# Allegro board MB1225_REVB_160222_1K.brd (continued)
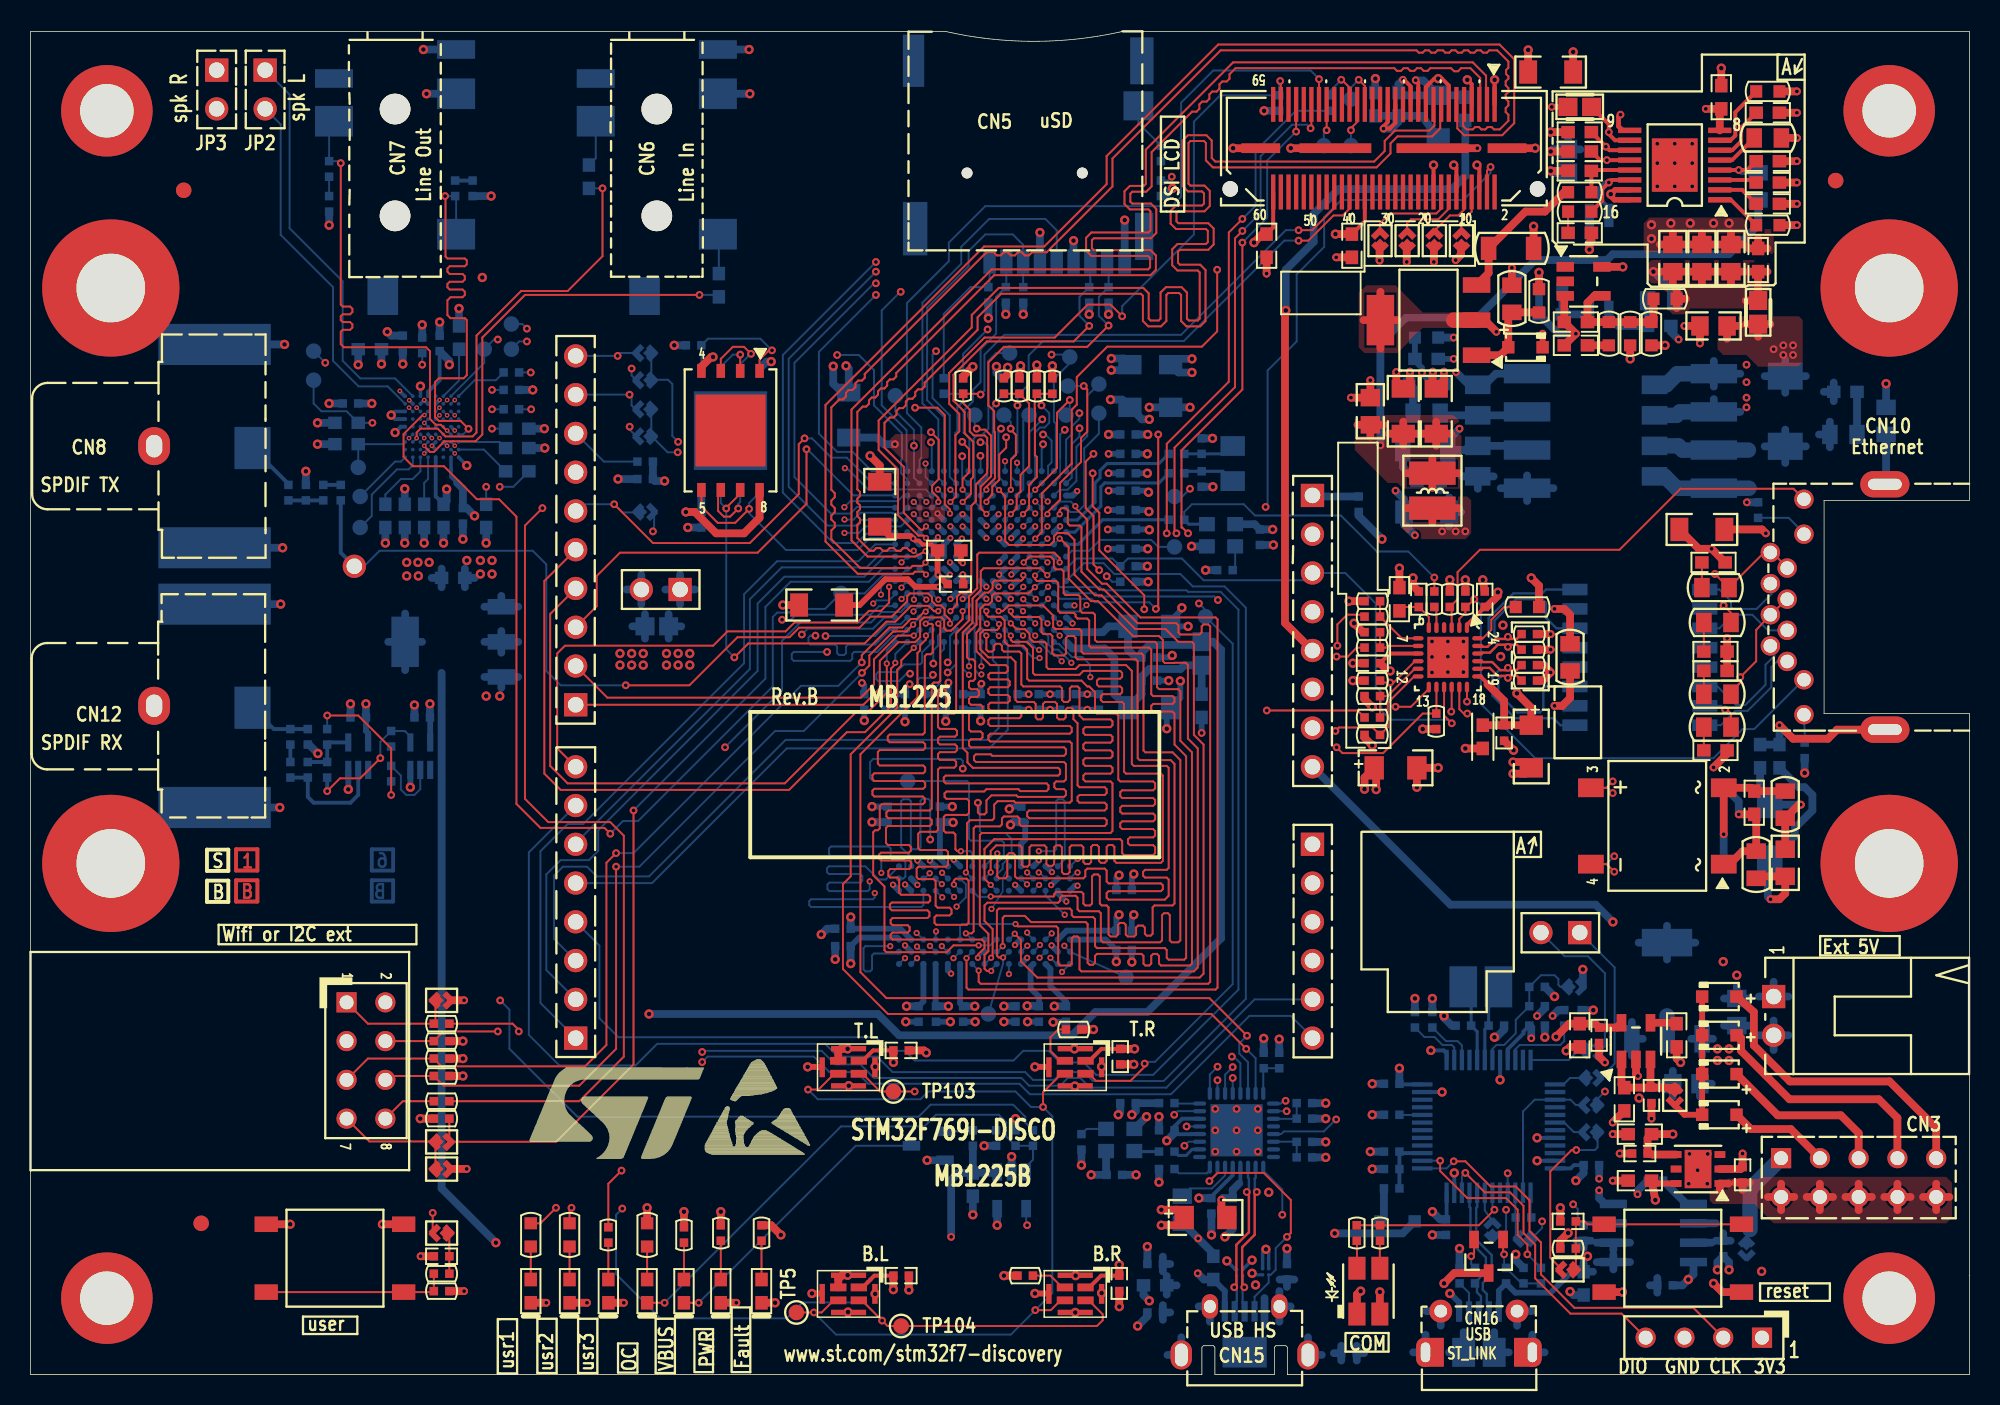
[diagram p0: board, top side]
## Copper pours and planes (outline as drawn; the poured copper is in the pictures) (continued)
NETD5_2 on TOP (solid shape): 107.7,17.9 108.03,18.23 108.3,17.97 107.76,17.43 107.7,17.5 107.62,17.42 107.08,17.96 107.36,18.24
NETR64_2 on BOTTOM (solid shape): 41.13,56.59 41.05,56.52 41.12,56.45 40.58,55.91 40.31,56.18 40.64,56.51 40.31,56.85 40.59,57.13
NRST on TOP (solid shape): 100.66,7.19 100.33,6.85 100.66,6.52 100.39,6.25 99.85,6.79 99.92,6.86 99.84,6.93 100.38,7.47
NRST on BOTTOM (solid shape): 103.1,15.92 103.05,15.88 103.1,15.83 102.56,15.29 102.29,15.56 102.35,15.62 102.1,15.88 102.35,16.13 102.29,16.19 102.56,16.46
PA0 on TOP (solid shape): 26.88,9.6 26.54,9.26 26.87,8.93 26.6,8.66 26.07,9.2 26.13,9.27 26.06,9.34 26.6,9.88
PA9 on BOTTOM (solid shape): 103.1,19.51 103.03,19.43 103.1,19.36 102.56,18.82 102.29,19.09 102.62,19.42 102.28,19.76 102.56,20.05
PA10 on BOTTOM (solid shape): 103.1,21.28 103.03,21.21 103.1,21.14 102.56,20.6 102.29,20.87 102.62,21.2 102.28,21.54 102.56,21.82
PA13 on BOTTOM (solid shape): 98.78,8.93 98.74,8.89 98.78,8.85 98.24,8.31 97.97,8.58 98.03,8.64 97.78,8.89 98.03,9.14 97.97,9.2 98.24,9.47
PA14 on BOTTOM (solid shape): 103.1,17.7 103.05,17.65 103.1,17.61 102.56,17.07 102.29,17.34 102.35,17.4 102.1,17.65 102.35,17.9 102.29,17.97 102.56,18.23
PG6 on TOP (solid shape): 27.79,15.31 27.72,15.24 27.79,15.16 27.25,14.63 26.97,14.91 27.31,15.25 26.98,15.58 27.25,15.85
POE1 on L2_GND, L5_GND: 91.16,53.98 89.15,55.99 89.15,57.76 85.85,61.07 85.85,69.87 87.48,71.5 93.32,71.5 94.89,73.07 94.89,74.57 95.25,74.93 95.74,74.93 99.19,78.38 99.19,87.49 116.2,87.49 116.2,75.29 115.72,74.8 112.88,74.8 111.23,76.45 105.43,76.45 101.47,72.5 101.47,55.1 100.35,53.98
POE3 on TOP: 91.19,69.6 94.49,69.6 94.49,68.58 91.19,68.58 89.53,66.93 87.38,66.93 87,67.31 87,70.87 87.5,71.37 89.41,71.37
POE4 on TOP: 89.79,57.53 94.11,57.53 94.36,57.28 94.36,55.12 93.98,54.74 90.55,54.74 89.79,55.5
POE4 on BOTTOM: 99.69,54.74 92.2,54.74 91.82,55.12 91.82,59.05 92.08,59.31 99.82,59.31 100.2,58.93 100.2,55.24
POE5 on BOTTOM: 112.01,57.66 111.89,57.78 111.89,61.34 113.16,62.61 118.11,62.61 118.49,62.23 118.49,59.94 117.98,59.44 114.81,59.44 113.67,58.29 113.67,57.78 113.54,57.66
POE7 on TOP (solid shape): 27.79,24.58 27.72,24.51 27.79,24.44 27.25,23.9 26.97,24.18 27.31,24.52 26.98,24.85 27.25,25.12
POE7 on TOP (solid shape): 27.79,13.53 27.72,13.46 27.79,13.39 27.25,12.85 26.97,13.13 27.31,13.47 26.98,13.8 27.25,14.07
POE7 on TOP (solid shape): 88.64,74.18 88.7,74.24 88.97,73.97 88.44,73.43 88.39,73.48 88.35,73.43 87.81,73.97 88.08,74.24 88.14,74.18 88.39,74.43
POE7 on TOP (solid shape): 90.42,74.18 90.48,74.24 90.75,73.97 90.21,73.43 90.17,73.48 90.13,73.43 89.59,73.97 89.86,74.24 89.92,74.18 90.17,74.43
POE7 on TOP (solid shape): 92.2,74.18 92.26,74.24 92.53,73.97 91.99,73.43 91.95,73.48 91.9,73.43 91.37,73.97 91.64,74.24 91.7,74.18 91.95,74.43
POE7 on TOP (solid shape): 93.98,74.18 94.04,74.24 94.31,73.97 93.77,73.43 93.73,73.48 93.68,73.43 93.14,73.97 93.41,74.24 93.47,74.18 93.73,74.43
POE7 on BOTTOM (solid shape): 101.96,25.48 101.88,25.4 101.95,25.33 101.41,24.79 101.15,25.06 101.48,25.39 101.14,25.73 101.42,26.01
POE7 on TOP: 105.66,75.44 106.05,75.82 113.28,75.82 114.17,74.93 114.17,73.53 113.92,73.28 106.05,73.28 105.66,73.66
POE7 on BOTTOM: 112.39,20.32 115.44,20.32 116.08,20.95 116.08,23.11 115.7,23.5 108.97,23.5 108.58,23.11 108.58,18.03 109.09,17.53 110.87,17.53 112.01,18.67 112.01,19.94
POE7 on BOTTOM: 86.36,4.95 99.57,4.95 99.95,4.57 99.95,0.76 99.72,0.53 86.72,0.53 86.61,0.64 86.61,2.67 86.36,2.92
POE7 on BOTTOM: 112.27,66.67 112.65,66.29 112.65,62.87 112.27,62.48 108.71,62.48 108.71,66.67
POE7 on BOTTOM: 28.07,53.64 32.13,53.64 32.28,53.5 32.28,49.73 32.12,49.58 28.37,49.58 27.96,49.98 27.96,53.53
POE7 on L2_GND: 0.53,0.51 0.53,87.49 59.89,87.49 65.72,86.85 71.56,87.49 98.68,87.49 98.68,78.59 95.53,75.44 95.05,75.44 94.39,74.78 94.39,73.28 93.11,72.01 87.27,72.01 85.34,70.08 85.34,60.96 88.52,57.78 88.52,55.9 90.95,53.47 100.56,53.47 101.98,54.89 101.98,72.28 105.64,75.95 111.02,75.95 112.67,74.3 115.93,74.3 116.71,75.08 116.71,87.49 126.49,87.49 126.49,57.81 116.94,57.81 116.94,42.77 126.49,42.77 126.49,0.51 82.83,0.51 82.83,2 82.43,2.39 81.36,2.39 80.97,2 80.97,0.51 78.08,0.51 78.08,2 77.68,2.39 76.61,2.39 76.21,2 76.21,0.51 ; 1 cut-out
POE7 on L5_GND: 0.51,0.51 0.51,87.49 59.89,87.49 65.72,86.85 71.56,87.49 98.68,87.49 98.68,78.59 95.53,75.44 95.02,75.44 94.39,74.8 94.39,73.28 93.11,72.01 87.27,72.01 85.34,70.08 85.34,60.85 88.52,57.68 88.52,55.9 90.95,53.47 100.56,53.47 101.98,54.89 101.98,72.28 105.64,75.95 111.02,75.95 112.67,74.3 115.93,74.3 116.71,75.08 116.71,87.49 126.49,87.49 126.49,57.78 116.97,57.78 116.97,42.8 126.49,42.8 126.49,0.51 82.83,0.51 82.83,2 82.43,2.39 81.36,2.39 80.97,2 80.97,0.51 78.08,0.51 78.08,2 77.68,2.39 76.61,2.39 76.21,2 76.21,0.51 ; 1 cut-out
STLINK_RX on BOTTOM (solid shape): 102.18,19.74 102.12,19.68 102.37,19.43 102.12,19.18 102.18,19.12 101.91,18.85 101.37,19.39 101.42,19.43 101.37,19.47 101.91,20.01
STLINK_TX on BOTTOM (solid shape): 102.18,21.52 102.12,21.46 102.37,21.21 102.12,20.96 102.18,20.9 101.91,20.63 101.37,21.17 101.42,21.21 101.37,21.25 101.91,21.79
STM_RST on BOTTOM (solid shape): 101.04,25.71 100.98,25.65 101.23,25.4 100.98,25.15 101.04,25.09 100.77,24.82 100.23,25.36 100.27,25.4 100.23,25.44 100.77,25.98
SWO on BOTTOM (solid shape): 96.01,9.33 96.07,9.4 96.34,9.13 95.8,8.59 95.76,8.63 95.71,8.59 95.18,9.13 95.45,9.4 95.51,9.33 95.76,9.59
T_JTCK on BOTTOM (solid shape): 102.18,17.99 101.85,17.66 102.19,17.32 101.91,17.04 101.37,17.58 101.44,17.65 101.37,17.72 101.91,18.26
T_JTMS on BOTTOM (solid shape): 97.86,9.23 97.53,8.9 97.87,8.56 97.59,8.28 97.05,8.81 97.12,8.89 97.06,8.96 97.59,9.5
T_NRST on BOTTOM (solid shape): 102.18,16.21 101.85,15.88 102.19,15.54 101.91,15.26 101.37,15.8 101.44,15.88 101.37,15.94 101.91,16.48
T_SWO on BOTTOM (solid shape): 95.76,10.24 95.83,10.31 96.37,9.77 96.1,9.5 95.76,9.83 95.43,9.5 95.14,9.78 95.68,10.32
POE7 on TOP (solid shape): 98.47,2.4 98.82,2.25 98.97,1.9 98.97,1 98.87,0.7 98.6,0.52 97.17,0.52 97.17,2.4
POE7 on TOP (solid shape): 92.57,0.51 91.16,0.51 90.88,0.69 90.77,1 90.77,1.9 90.92,2.25 91.27,2.4 92.57,2.4
POE7 on BOTTOM (solid shape): 98.47,2.4 98.82,2.25 98.97,1.9 98.97,1 98.87,0.7 98.6,0.52 97.17,0.52 97.17,2.4
POE7 on BOTTOM (solid shape): 92.57,0.51 91.16,0.51 90.88,0.69 90.77,1 90.77,1.9 90.92,2.25 91.27,2.4 92.57,2.4

Small or netless copper shapes (teardrops, artwork), in the pictures only: 16 on TOP

## Text on the board
Ref Des/Silkscreen Bottom: D9 | D8 | D7 | D6 | D5 | D4 | D3 | D2 | D1 | D0 | D15 | D14 | D12 | D11 | D10 | GND | D13 | nc | 5V | A0 | A1 | A2 | A3 | A4 | A5 | 3V3 | VIN | NRST | IOREF5 | AVDD | SPDIF TX | SPDIF RX | CN2 | Wifi or I2C ext | B | Idd | USB HS | USB ST_LINK | Ethernet | JP1 | Ext 5V | uSD | Line Out | Line In | VCP_TX | VCP_RX | stlk | usbhs | ext5V | poe5V | chgr | spk R | spk L
Ref Des/Silkscreen Top: ST_LINK | CN16 | USB | SPDIF TX | SPDIF RX | CN8 | CN12 | JP3 | S | B | Wifi or I2C ext | JP2 | user | T.L | B.L | CN5 | uSD | B.R | T.R | USB HS | CN15 | COM | DIO | GND | CLK | 3V3 | reset | Ext 5V | Ethernet | CN10 | CN3 | CN7 | Line Out | usr1 | usr2 | usr3 | OC | CN6 | VBUS | Line In | PWR | Fault | DSI LCD | Rev.B | www.st.com/stm32f7-discovery | A | spk R | spk L | STM32F769I-DISCO | MB1225 | MB1225B
User.23: 1,6 | 6.1 | 5.1 | 8.9 | 9.9 | N/A | 90 OHM | 100 OHM | +/-10%
User.32: CN8 | CN1 | B1 | U4 | B2 | CN16 | CN3 | CN10 | CN4 | CN14_1 | U21 | CN5 | CN11 | RV2 | U10 | U27 | U7 | CN12 | U5 | CN14 | CN9 | CN13 | CN7 | CN23 | 1 | 845.00 | 545.00 | ST-Link | MB1063 | 0.00 | MB1043 | Designator5 | 400.00 | SDRAM | Speaker connector | Designator6 | Ethernet | Memory connector | Memory Connector | 118.36427 (mm)
User.40: 59 | 60 | 50 | 40 | 30 | 20 | 10 | 2
User.43: FIGURE | SIZE | 6.0 | 8.0 | 10.0 | 12.0 | 33.0 | 35.0 | 36.0 | 40.0 | 138.0 | 177.0 | 28.0 | 79.0 | 33.0x30.0 | 51.0x24.0 | 58.0x42.0 | 59.0x33.0 | 87.0x28.0 | TOLERANCE | +3.0/-3.0 | +2.0/-2.0 | +5.0/-5.0 | DRILL CHART: TOP to BOTTOM | ALL UNITS ARE IN MILS | PLATED | NON-PLATED | ROTATION | - | 90.000 | 0.000 | QTY | 27 | 220 | 296 | 381 | 2 | 12 | 22 | 43 | 4 | 1029 | TOTAL HOLES:
